# Altium PCB PA-HF_100W-VHF_60W.PcbDoc (part 1 of 3) (continued)
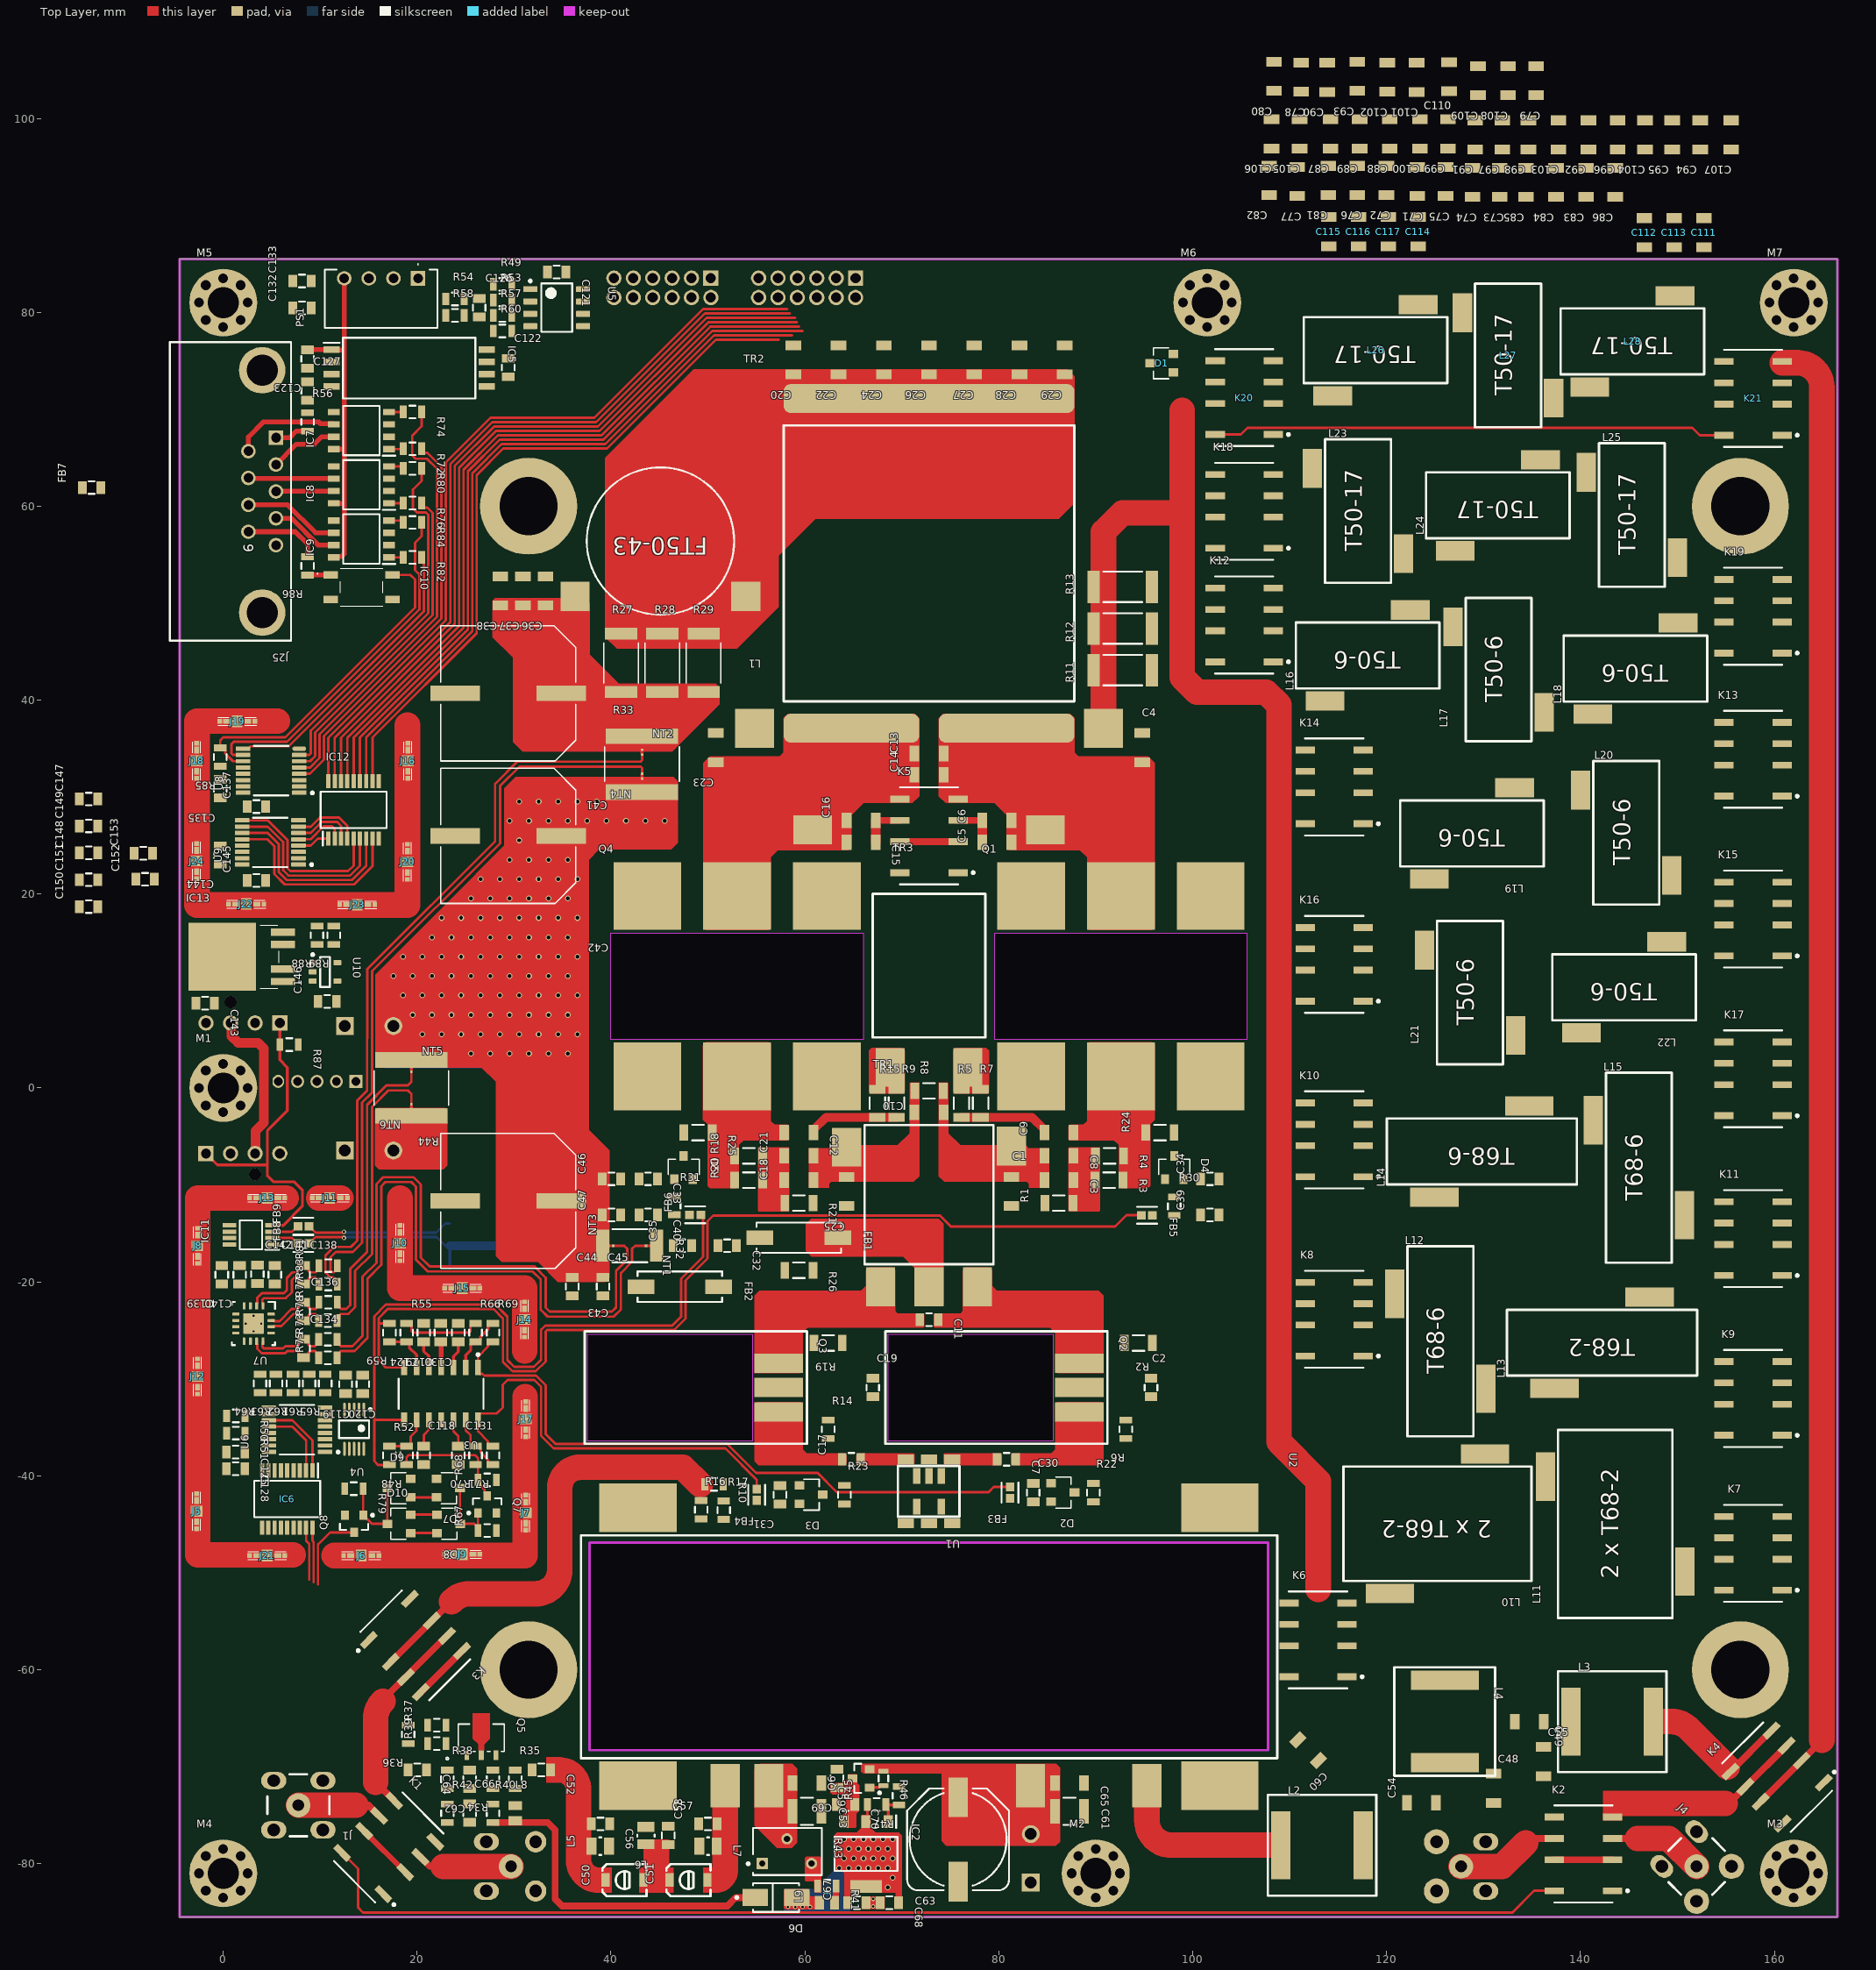
[diagram p0: Top Layer view]
## Components (designator, comment, footprint, x,y, rotation, side; value= is the part's Value field where it differs from the comment) (continued)
C74 "2.2nF NP0 630V" C-1206 128.875,93.4 r270 top
C75 "1.5nF NP0 500V" C-1206 126.075,93.5 r270 top
C76 "330pF NP0 630V" C-1206 116.975,93.6 r270 top
C77 "100pF NP0 500V" C-1206 110.775,93.5 r270 top
C78 "910pF NP0 250V" C-1206 111.175,104.25 r270 top
C79 "1.5nF NP0 500V" C-1206 135.425,103.9 r270 top
C80 "560pF NP0 630V" C-1206 108.375,104.35 r270 top
C81 "270pF NP0 630V" C-1206 113.975,93.6 r270 top
C82 "68pF NP0 500V" C-1206 107.875,93.6 r270 top
C83 "270pF NP0 630V" C-1206 140.575,93.4 r270 top
C84 "560pF NP0 630V" C-1206 137.475,93.4 r270 top
C85 "330pF NP0 630V" C-1206 134.375,93.4 r270 top
C86 "47pF NP0 500V" C-1206 143.575,93.4 r270 top
C87 "120pF NP0 500V" C-1206 114.225,98.4 r270 top
C88 "27pF NP0 630V" C-1206 120.325,98.4 r270 top
C89 "130pF NP0 630V" C-1206 117.225,98.4 r270 top
C90 "33pF NP0 630V" C-1206 113.873,104.23 r270 top
C91 "91pF NP0 500V" C-1206 129.125,98.3 r270 top
C92 "240pF NP0 500V" C-1206 140.825,98.3 r270 top
C93 "220pF NP0 500V" C-1206 116.975,104.35 r270 top
C94 "47pF NP0 500V" C-1206 152.35,98.3 r270 top
C95 "22pF NP0 630V" C-1206 149.45,98.3 r270 top
C96 "91pF NP0 500V" C-1206 143.825,98.3 r270 top
C97 "220pF NP0 500V" C-1206 131.925,98.3 r270 top
C98 "150pF NP0 630V" C-1206 134.625,98.3 r270 top
C99 "33pF NP0 630V" C-1206 126.325,98.4 r270 top
C100 "10pF NP0 630V" C-1206 123.425,98.4 r270 top
C101 "47pF NP0 500V" C-1206 123.098,104.23 r270 top
C102 "130pF NP0 630V" C-1206 120.075,104.25 r270 top
C103 "62pF NP0 500V" C-1206 137.725,98.3 r270 top
C104 "10pF NP0 630V" C-1206 146.65,98.3 r270 top
C105 "15pF NP0 630V" C-1206 111.025,98.4 r270 top
C106 "10pF NP0 630V" C-1206 108.125,98.4 r270 top
C107 "22pF NP0 630V" C-1206 155.55,98.3 r270 top
C108 "15pF NP0 630V" C-1206 132.525,103.9 r270 top
C109 "75pF NP0 500V" C-1206 129.425,103.9 r270 top
C110 "75pF NP0 500V" C-1206 126.45,104.3 r90 top
C111 "6pF NP0 630V" C-1206 152.73,88.22 r90 top
C112 "8pF NP0 630V" C-1206 146.58,88.22 r90 top
C113 "6pF NP0 630V" C-1206 149.655,88.22 r90 top
C114 "18pF NP0 630V" C-1206 123.252,88.32 r90 top
C115 "8pF NP0 630V" C-1206 114.027,88.32 r90 top
C116 "56pF NP0 500V" C-1206 117.102,88.32 r90 top
C117 "56pF NP0 500V" C-1206 120.177,88.32 r90 top
C118 "1nF 50V" C-0805 20.683,-37.9 r90 top
C119 "100nF 50V" C-0805 12.625,-30.55 r270 top
C120 "22uF 6.3V" C-0805 14.4,-30.55 r270 top
C121 "100nF 50V X7R" C-0805 34.4,84.15 r0 top
C122 "100nF 50V X7R" C-0805 29.4,74.3 r90 top
C123 "100nF 50V X7R" C-0805 8.7,75.2 r270 top
C124 "1nF 50V" C-0805 20.683,-25.225 r270 top
C125 "100nF 50V" C-0805 1.275,-37.55 r0 top
C126 "180pF NP0" C-0805 26.4,80.475 r90 top
C127 "?" C-0805 8.7,71.9 r90 top
C128 "22uF 6.3V" C-0805 1.275,-39.275 r0 top
C129 "100nF 50V" C-0805 22.45,-25.225 r270 top
C130 "1nF 50V" C-0805 24.242,-25.225 r270 top
C131 "1nF 50V" C-0805 24.242,-37.9 r90 top
C132 "100nF 50V" C-0805 8.117,80.455 r180 top
C133 "100nF 50V" C-0805 8.117,83.23 r180 top
C134 "10nF 50V" C-0805 8.3,-26.875 r90 top
C135 "100nF 50V" C-0805 -0.3,30.875 r270 top
C136 "10nF 50V" C-0805 8.3,-23.05 r90 top
C137 "22uF 6.3V" C-0805 3.425,29.025 r180 top
C138 "10nF 50V" C-0805 8.3,-19.275 r90 top
C139 "100nF 50V" C-0805 -0.15,-19.25 r270 top
C140 "22uF 6.3V" C-0805 1.7,-19.25 r270 top
C141 "100nF 50V" C-0805 5.325,-19.25 r90 top
C142 "22uF 6.3V" C-0805 3.525,-19.2 r90 top
C143 "1uF 50V" C-0805 -1.875,8.75 r0 top
C144 "100nF 50V" C-0805 -0.3,24.025 r270 top
C145 "22uF 6.3V" C-0805 3.425,21.4 r180 top
C146 "100nF 50V" C-0805 10.725,8.925 r180 top
C147 "22uF 6.3V" C-0805 -13.875,29.801 r180 top
C148 "100nF 50V" C-0805 -13.875,24.25 r180 top
C149 "22uF 6.3V" C-0805 -13.875,27.026 r180 top
C150 "22uF 6.3V" C-0805 -13.875,18.7 r180 top
C151 "100nF 50V" C-0805 -13.875,21.475 r180 top
C152 "10uF 50V" C-0805 -8.05,21.525 r180 top
C153 "100nF 50V" C-0805 -8.225,24.2 r180 top
D1 "BAT54C" SOT-23 96.8,74.75 r90 top
D2 "BAT54C" SOT-23 86.61,-41.725 r270 top
D3 "BAT54C" SOT-23 60.625,-41.95 r270 top
D4 "BAT54C" SOT-23 98.1,-8.2 r0 top
D5 "BAT54C" SOT-23 47.5,-8.2 r0 top
D6 "SS14" FP-403AE-MFG 57.025,-83.5 r180 top
D7 "BAT54A" SOT-23 23.225,-41.275 r270 top
D8 "BAT54A" SOT-23 23.25,-44.95 r270 top
D9 "BAT54A" SOT-23 18.125,-41.275 r90 top
D10 "BAT54A" SOT-23 18.125,-44.95 r90 top
F1 "Fan" Fan_60x60x25mm 5.85,-39.15 r270 bottom locked
F2 "Fan" Fan_60x60x25mm 5.85,40.85 r270 bottom locked
FB1 "28F0121-1SR-10" FP-28F0121-1SR-10-MFG 59.375,-15.45 r0 top
FB2 "28F0121-1SR-10" FP-28F0121-1SR-10-MFG 47.1,-20.5 r0 top
FB3 "BLM18HE152SN1D" FP-BLM18-0_15-t0_8-IPC_C 81.15,-41.725 r270 top
FB4 "BLM18HE152SN1D" FP-BLM18-0_15-t0_8-IPC_C 55.025,-41.95 r270 top
FB5 "BLM18HE152SN1D" FP-BLM18-0_15-t0_8-IPC_C 95.275,-13.125 r0 top
FB6 "BLM18HE152SN1D" FP-BLM18-0_15-t0_8-IPC_C 48.675,-13.075 r180 top
FB7 "0ZCE0050FF2E" C-0805 -13.575,61.925 r180 top
FB8 "BLM18HE152SN1D" FP-BLM18-0_15-t0_8-IPC_C 8.275,-16.05 r180 top
FB9 "BLM18HE152SN1D" FP-BLM18-0_15-t0_8-IPC_C 8.275,-14.25 r180 top
H1 "HeatSink" HEATSINK_145X140X35 94,0 r270 bottom locked
IC1 "XT30U-M" XT30UM 12.55,6.398 r0 bottom
IC2 "AMS117" SOT229P700X180-4N 66.3,-79 r270 top
IC3 "XT30U-M" XT30UM 83.3,-81.95 r90 bottom
IC4 "XT30U-M" XT30UM 12.55,-6.448 r0 bottom
IC5 "ACNT-H87A-000E" SOIC127P1661X403-8N 19.175,74.25 r0 top
IC6 "TBD62783AFNG_Z_" SOP65P640X155-18N 6.6,-42.4 r270 top
IC7 "TLP2161_TP,F_" SOIC127P600X290-8N 14.25,67.8 r180 top
IC8 "TLP2161_TP,F_" SOIC127P600X290-8N 14.25,62.212 r180 top
IC9 "TLP2161_TP,F_" SOIC127P600X290-8N 14.25,56.625 r180 top
IC10 "KPC357NT0ATLD" KPC357NT0ATLD 14.275,51.65 r0 top
IC11 "EMC2101-ACZL-TR" SOP65P490X110-8N 2.85,-15.15 r180 top
IC12 "TBD62783AFNG_Z_" SOP65P640X155-18N 13.45,28.675 r90 top
IC13 "BA00CC0WFP-E2" BA00CC0WFPE2 3.025,13.525 r90 top
J1 "RF BPF" 31-5431#1 7.75,-73.975 r90 top
J2 "RX Bypass" 31-5431#2 29.685,-80.285 r90 bottom locked
J3 "RX Bypass" 31-5431#3 127.685,-80.285 r270 bottom locked
J4 "RF ATU" 31-5431#3 151.975,-80.285 r225 top
J5 "S0941-46R" S094146R -2.75,-43.65 r270 top
J6 "S0941-46R" S094146R 14.238,-48.225 r180 top
J7 "S0941-46R" S094146R 31.2,-43.8 r270 top
J8 "S0941-46R" S094146R -2.675,-16.275 r270 top
J9 "S0941-46R" S094146R 24.658,-48.075 r180 top
J10 "S0941-46R" S094146R 18.225,-16 r270 top
J11 "S0941-46R" S094146R 10.988,-11.35 r180 top
J12 "S0941-46R" S094146R -2.65,-29.75 r270 top
J13 "S0941-46R" S094146R 4.537,-11.35 r180 top
J14 "S0941-46R" S094146R 31.091,-23.879 r270 top
J15 "S0941-46R" S094146R 24.658,-20.65 r180 top
J16 "S0941-46R" S094146R 19.05,33.75 r270 top
J17 "S0941-46R" S094146R 31.2,-34.15 r270 top
J18 "S0941-46R" S094146R -2.75,33.75 r270 top
J19 "S0941-46R" S094146R 1.445,37.825 r180 top
J20 "S0941-46R" S094146R 19,23.325 r270 top
J21 "S0941-46R" S094146R 4.538,-48.225 r180 top
J22 "S0941-46R" S094146R 2.375,18.975 r180 top
J23 "S0941-46R" S094146R 13.825,18.9 r180 top
J24 "S0941-46R" S094146R -2.75,23.4 r270 top
J25 "618009231221" 618009231221 0.75,61.525 r270 top locked
J26 "47053-1000" FP-47053-1000-MFG 2.025,-6.375 r180 bottom
J27 "47053-1000" FP-47053-1000-MFG 2.025,6.325 r0 bottom
J28 "B5B-PH-K-S_LF__SN_" SHDR5W50P0X200_1X5_1190X450X600P 13.675,0.675 r0 bottom
J29 "DF11-12DP-2DSA_24_" SHDR12W60P200_2X6_1400X500X690P 65.225,83.525 r0 bottom
J30 "DF11-12DP-2DSA_24_" SHDR12W60P200_2X6_1400X500X690P 50.3,83.525 r0 bottom
K1 "2-1462037-3" TECO-2-1462037-3_V 17.075,-78.325 r45 top
K2 "2-1462037-3" TECO-2-1462037-3_V 140.3,-79 r90 top
K3 "2-1462037-3" TECO-2-1462037-3_V 19.825,-57.5 r315 top
K4 "2-1462037-3" TECO-2-1462037-3_V 160.275,-71.075 r135 top
K5 "2-1462037-3" TECO-2-1462037-3_V 72.8,26 r90 top locked
K6 "2-1462037-3" TECO-2-1462037-3_V 112.925,-56.925 r90 top
K7 "2-1462037-3" TECO-2-1462037-3_V 157.8,-48 r90 top
K8 "2-1462037-3" TECO-2-1462037-3_V 114.6,-23.85 r90 top
K9 "2-1462037-3" TECO-2-1462037-3_V 157.8,-32.02 r90 top
K10 "2-1462037-3" TECO-2-1462037-3_V 114.6,-5.35 r90 top
K11 "2-1462037-3" TECO-2-1462037-3_V 157.8,-15.54 r90 top
K12 "2-1462037-3" TECO-2-1462037-3_V 105.325,47.75 r90 top
K13 "2-1462037-3" TECO-2-1462037-3_V 157.8,33.9 r90 top
K14 "2-1462037-3" TECO-2-1462037-3_V 114.6,31.05 r90 top
K15 "2-1462037-3" TECO-2-1462037-3_V 157.8,17.42 r90 top
K16 "2-1462037-3" TECO-2-1462037-3_V 114.6,12.75 r90 top
K17 "2-1462037-3" TECO-2-1462037-3_V 157.8,0.94 r90 top
K18 "2-1462037-3" TECO-2-1462037-3_V 105.325,59.475 r90 top
K19 "2-1462037-3" TECO-2-1462037-3_V 157.8,48.65 r90 top
K20 "2-1462037-3" TECO-2-1462037-3_V 105.325,71.2 r90 top
K21 "2-1462037-3" TECO-2-1462037-3_V 157.8,71.125 r90 top
L1 "FT-50-43" AMIDON_FT50_43 45.1,56.4 r180 top locked value="12T 1.0mm"
L2 "200nH" AirCoil_200nH 113.35,-78.1 r90 top
L3 "200nH" AirCoil_200nH 143.275,-65.35 r90 top
L4 "200nH" AirCoil_200nH 126,-65.35 r0 top
L5 "8.2nH" L-0805 38.9,-78.2 r180 top
L6 "8.2nH" L-0805 43.6,-77.1 r270 top
L7 "8.2nH" L-0805 50,-78.2 r0 top
L8 "BLM21AH102SN1D" INDC2013X105X50LL20T20 30.125,-74.8 r90 top
L9 "BLM21AH102SN1D" INDC2013X105X50LL20T20 62.275,-84.025 r180 top
L10 "17W 2xT68-2" AMIDON_2XT68_2 125.25,-44.95 r180 top value=3.3uH
L11 "20W 2xT68-2" AMIDON_2XT68_2 143.575,-44.975 r90 top value=4.5uH
L12 "19W T68-6" AMIDON_T68_6-SMD 125.55,-26.125 r90 top value=1.74uH
L13 "19W T68-2" AMIDON_T68_2-SMD 142.225,-26.275 r180 top value=1.8uH
L14 "13W T68-6" AMIDON_T68_6-SMD 129.825,-6.55 r180 top value=0.925uH
L15 "16W T68-6" AMIDON_T68_6-SMD 146.025,-8.225 r90 top value=1.26uH
L16 "12W T50-6" AMIDON_T50_6-SMD 118.05,44.6 r180 top value=0.57uH
L17 "11W T50-6" AMIDON_T50_6-SMD 131.55,43.15 r90 top value=0.48uH
L18 "10W T50-6" AMIDON_T50_6-SMD 145.675,43.25 r180 top value=0.4uH
L19 "9W T50-6" AMIDON_T50_6-SMD 128.8,26.25 r180 top value=0.33uH
L20 "10W T50-6" AMIDON_T50_6-SMD 144.725,26.325 r90 top value=0.45uH
L21 "8W T50-6" AMIDON_T50_6-SMD 128.6,9.825 r90 top value=0.231uH
L22 "9W T50-6" AMIDON_T50_6-SMD 144.5,10.375 r180 top value=0.298uH
L23 "8W T50-17" AMIDON_T50_17-SMD 117.05,59.5 r90 top value=0.115uH
L24 "10W T50-17" AMIDON_T50_17-SMD 131.475,60.1 r180 top value=0.180uH
L25 "9W T50-17" AMIDON_T50_17-SMD 145.3,59.1 r90 top value=0.154uH
L26 "7W T50-17" Amidon_T50_17-smd 118.85,76.1 r180 top value=0.095uH
L27 "9W T50-17" Amidon_T50_17-smd 132.525,75.55 r90 top value=0.157uH
L28 "8W T50-17" Amidon_T50_17-smd 145.35,77 r180 top value=0.124uH
M1 "MountHole" MountHole 0,0 r90 top locked
M2 "MountHole" MountHole 90,-81 r90 top locked
M3 "MountHole" MountHole 162,-81 r90 top locked
M4 "MountHole" MountHole 0,-81 r90 top locked
M5 "MountHole" MountHole 0,81 r90 top locked
M6 "MountHole" MountHole 101.5,81 r90 top locked
M7 "MountHole" MountHole 162,81 r90 top locked
NT1 "Net-Tie" Net-Tie_10mil 43.875,-16.275 r0 top net-tie
NT2 "Net-Tie" Net-Tie_10mil 43.2,34.629 r90 top locked net-tie
NT3 "Net-Tie" Net-Tie_10mil 39.975,-16.275 r180 top net-tie
NT4 "Net-Tie" Net-Tie_10mil 43.2,32.171 r270 top locked net-tie
NT5 "Net-Tie" Net-Tie_10mil 19.4,1.925 r90 top locked net-tie
NT6 "Net-Tie" Net-Tie_10mil 19.4,-1.925 r270 top locked net-tie
PS1 "B1205S-1WR2" B1205S1WR2 20.1,83.5 r180 top
Q1 "RD100HHF1" RD100HHF1 92.6,10.5 r0 top locked
Q2 "RD16HHF1" RD16HHF1 77.1,-30.9 r0 top locked
Q3 "RD16HHF1" RD16HHF1 46.1,-30.9 r0 top locked
Q4 "RD100HHF1" RD100HHF1 53,10.5 r0 top locked
Q5 "RD01MUS1" RD01MUS2_MTS 26.625,-67.022 r0 top
Q6 "IRLML9301TRPBF" INF-SOT-23-3_V 65.8,-71.2 r180 top
Q7 "IRLML0030TRPBF" INTR-SOT-23-3_V 27.225,-42.95 r0 top
Q8 "IRLML0030TRPBF" INTR-SOT-23-3_V 13.5,-44.95 r180 top
Q9 "PZT3904" FAIR-SOT223-4_V 26.425,-16.275 r0 bottom
R1 "2.2k 1%" R-1206 86.2,-11.875 r180 top
R2 "430R" R-1206 94.4,-26.3 r180 top
R3 "4.7R 1%" R-1206 91.375,-9.5 r0 top
R4 "4.7R 1%" R-1206 91.425,-7 r0 top
R5 "22R 1%" R-1206 76.15,-1.575 r90 top
R6 "2.2k 1%" R-0805 93.1,-35.2 r270 top
R7 "22R 1%" R-1206 78.125,-1.575 r90 top
R8 "100R" R-1206 72.8,-0.3 r0 top
R9 "22R 1%" R-1206 69.45,-1.575 r90 top
R10 "12R 1%" R-0805 50.625,-40.875 r0 top
R11 "2K 5% 2512(6432)" RESC2512(6432)_N 92.783,43.091 r180 top value="2000.00 Ohm"
R12 "2K 5% 2512(6432)" RESC2512(6432)_N 92.783,47.391 r180 top value="2000.00 Ohm"
R13 "2K 5% 2512(6432)" RESC2512(6432)_N 92.783,51.691 r180 top value="2000.00 Ohm"
R14 "2.2k 1%" R-0805 62.4,-35.2 r90 top
R15 "22R 1%" R-1206 67.475,-1.575 r90 top
R16 "430R 1%" R-0805 49.3,-43.5 r90 top
R17 "430R 1%" R-0805 51.625,-43.55 r90 top
R18 "4.7R 1%" R-1206 54.2,-7 r180 top
R19 "430R" R-1206 62.4,-26.3 r180 top
R20 "4.7R 1%" R-1206 54.2,-9.5 r180 top
R21 "2.2k 1%" R-1206 59.375,-11.875 r0 top
R22 "100R 1%" R-0805 89.75,-41.725 r90 top
R23 "100R 1%" R-0805 64.075,-41.95 r90 top
R24 "22R 1%" R-1206 96.625,-4.6 r180 top
R25 "22R 1%" R-1206 48.975,-4.6 r0 top
R26 "22R 1%" R-1206 59.375,-18.8 r0 top
R27 "CRM2512-JW-4R7ELF" BO_CR2512 41.041,43.842 r90 top locked
R28 "CRM2512-JW-4R7ELF" BO_CR2512 45.291,43.842 r90 top locked
R29 "CRM2512-JW-4R7ELF" BO_CR2512 49.541,43.842 r90 top locked
R30 "100R 1%" R-0805 98.1,-12.2 r90 top
R31 "100R 1%" R-0805 46.525,-12.125 r90 top
R32 "CRA2512-FZ-R020ELF" FP-CRA2512-IPC_C 41.925,-16.275 r0 top
R33 "CSSH2728FT5L00" STA_CSSH2728_STP 43.2,33.4 r90 top locked
R34 "750R 1%" R-0805 27.825,-71.3 r270 top
R35 "470R 1%" R-0805 30.125,-71.3 r90 top
R36 "12R 1%" R-0805 19.075,-66.675 r270 top
R37 "430R 1%" R-0805 22.025,-65.725 r180 top
R38 "56R 1%" R-0805 23.125,-71.3 r90 top
R39 "430R 1%" R-0805 22.025,-67.625 r180 top
R40 "6.8k 1%" R-0805 27.825,-74.8 r90 top
R41 "1k 1%" R-0805 62.275,-82.325 r0 top
R42 "2.7k 1%" R-0805 23.125,-74.8 r90 top
R43 "3266W-1-102LF" FP-3266W-MFG 58.2,-78.75 r0 top value=10kΩ
R44 "CSSH2728FT5L00" STA_CSSH2728_STP 19.4,0 r270 top locked
R45 "100R 1%" R-0805 67.4,-73.9 r180 top
R46 "30k" R-0603 68.1,-71.2 r270 top
R47 "620R 1%" R-0805 69.7,-73 r270 top
R48 "6.49k 1%" R-0805 18.917,-37.9 r270 top
R49 "4.7k" R-0805 28.8,82.875 r0 top
R50 "10k 1%" R-0805 1.3,-33.825 r0 top
R51 "10k 1%" R-0805 1.3,-35.6 r0 top
R52 "10k 1%" R-0805 17.15,-37.9 r90 top
R53 "4.7k" R-0805 28.8,81.275 r0 top
R54 "4.7k" R-0805 23.9,81.375 r0 top
R55 "6.49k 1%" R-0805 18.917,-25.225 r90 top
R56 "?" R-0805 8.7,68.7 r90 top
R57 "4.7k" R-0805 28.8,79.675 r0 top
R58 "4.7k" R-0805 23.9,79.675 r0 top
R59 "10k 1%" R-0805 17.15,-25.225 r270 top
R60 "4.7k" R-0805 28.8,78.075 r0 top
R61 "10k 1%" R-0805 8.856,-30.475 r270 top
R62 "10k 1%" R-0805 7.188,-30.475 r270 top
R63 "10k 1%" R-0805 5.45,-30.475 r270 top
R64 "10k 1%" R-0805 3.8,-30.475 r270 top
R65 "10k 1%" R-0805 10.525,-30.475 r270 top
R66 "6.49k 1%" R-0805 26.033,-25.225 r90 top
R67 "150k 1%" R-0805 27.225,-45.65 r180 top
R68 "3.3k 1%" R-0805 27.225,-40.425 r180 top
R69 "10k 1%" R-0805 27.825,-25.225 r90 top
R70 "6.49k 1%" R-0805 26.033,-37.9 r270 top
R71 "10k 1%" R-0805 27.825,-37.9 r270 top
R72 "330R 1%" R-0805 19.525,65.925 r0 top
R73 "12R 1%" R-0805 10.8,-25.925 r180 top
R74 "330R 1%" R-0805 19.525,69.725 r0 top
R75 "12R 1%" R-0805 10.8,-27.825 r180 top
R76 "330R 1%" R-0805 19.525,60.325 r0 top
R77 "12R 1%" R-0805 10.825,-22.1 r180 top
R78 "12R 1%" R-0805 10.8,-24 r180 top
R79 "150k 1%" R-0805 13.475,-41.325 r0 top
R80 "330R 1%" R-0805 19.525,63.9 r0 top
R81 "12R 1%" R-0805 10.825,-18.325 r180 top
R82 "330R 1%" R-0805 19.525,54.725 r0 top
R83 "12R 1%" R-0805 10.825,-20.225 r180 top
R84 "330R 1%" R-0805 19.525,58.325 r0 top
R85 "10k 1%" R-0805 -0.3,34.125 r270 top
R86 "330R 1%" R-0805 8.7,53.85 r270 top
R87 "10k 1%" R-0805 6.8,4.475 r0 top
R88 "10k 1%" R-0805 9.675,15.75 r270 top
R89 "3.3k 1%" R-0805 11.4,15.75 r270 top
TR1 "BN43-202 3+3T:3T" BN43-202 72.8,-11 r0 top locked
TR2 "BN61-002 1T:4T" BN61-002 72.8,54.1 r0 top locked
TR3 "FT82-43 13+13T:1T" AMIDON_FT82-43 72.8,12.625 r90 top locked
U1 "MABAES0060" TRANSF_ACORE2 72.8,-41.6 r270 top locked
U2 "RA80H1415M1" RA80H1415M1 72.8,-55.8 r0 top locked
U3 "TLV9064IDR" FP-D0014A-MFG 22.475,-31.525 r270 top
U4 "MCP4728T-E/UN" MSOP-UN10_L 13.5,-35.2 r270 top
U5 "OPA376AIDR" D0008A_N 34.4,80.475 r0 top
U6 "TCA9534APWR" FP-PW0016A-MFG#1 7.6,-35.25 r180 top
U7 "INA3221AIRGVR" RGV0016A_V 3.125,-24.3 r270 top
U8 "TCA9534APWR" FP-PW0016A-MFG#2 4.95,32.725 r180 top
U9 "TCA9534APWR" FP-PW0016A-MFG#1 4.868,25.326 r180 top
U10 "TPS79333DBVR" DBV0005A_L 10.5,11.975 r0 top

## Footprints (in the part's own frame and the unit in brackets; to place one, negate y for a bottom-side part, rotate by r counter-clockwise, add the part's x,y. Pads: shape width x height; smd on the part's side, far side on the other; paste and mask are expansions set on the pad)
31-5431#1 [mm]
  oval 1.8x2.6 hole 1.3: 1(-2.54,-2.54) 2(2.54,-2.54) 3(2.54,2.54) 4(-2.54,2.54)
  round 2.5 hole 1.2: 5(0,0)
  silkscreen extent -3.2,-3.2 3.2,3.2, body extent -3.04,-3.04 3.04,3.04, height 9
31-5431#2 [mm]
  oval 1.8x2.6 hole 1.3: 1(-2.54,-2.54) 2(2.54,-2.54)
  round 2.2 hole 1.3: 3(2.54,2.54) 4(-2.54,2.54)
  round 2.5 hole 1.2: 5(0,0)
  silkscreen extent -3.2,-3.2 3.2,3.2, body extent -3.04,-3.04 3.04,3.04, height 9
31-5431#3 [mm]
  oval 1.8x2.6 hole 1.3: 1(-2.54,-2.54) 2(2.54,-2.54)
  round 2.6 hole 1.3: 3(2.54,2.54) 4(-2.54,2.54)
  round 2.5 hole 1.2: 5(0,0)
  silkscreen extent -3.2,-3.2 3.2,3.2, body extent -3.04,-3.04 3.04,3.04, height 9
618009231221 [mm] "9 pins, right angled, 8.08mm, with hex screw"
  rect 1.5x1.5 hole 1: 1(-5.54,4.69)
  round 1.5 hole 1: 2(-2.77,4.69) 3(0,4.69) 4(2.77,4.69) 5(5.54,4.69) 6(-4.155,1.85) 7(-1.385,1.85) 8(1.385,1.85) 9(4.155,1.85)
  round 4.8 hole 3.2: M1(-12.5,3.27) M2(12.5,3.27)
  silkscreen extent -15.4,-6.25 15.4,6.25, body extent -15.4,-12.25 15.4,6.25, height 12.55
AirCoil_200nH [mm]
  rect 7x2 smd: 1(0,4.25) 2(0,-4.25)
  silkscreen extent -5.2,-5.6 5.2,5.6, body extent -5,-4.62 5,4.62, height 11
AMIDON_2XT68_2 [mm]
  rect 5x2 smd: 1(4.9,7.2) 2(-4.9,-7.2)
  silkscreen extent -9.7,-5.9 9.7,5.9, body extent -8.75,-4.84 8.75,4.84, height 17.55
AMIDON_FT50_43 [mm] "FT50-6x"
  rect 3x3 smd: 1(8.8,5.7) 2(-8.8,5.7)
  silkscreen extent -7.6,-7.6 7.6,7.6, body extent -6.35,-6.35 6.35,6.35, height 5.83
AMIDON_FT82-43 [mm]
  rect 4x3 smd: 1(-10.5,4) 2(-10.5,-4)
  rect 3x4 smd: 3(14,12) 4(14,-12)
  silkscreen extent -7.4,-5.8 7.4,5.8, body extent -6.35,-4.83 6.35,4.83, height 12.85
AMIDON_T50_6-SMD [mm]
  rect 4x2 smd: 1(4.4,4.7) 2(-4.4,-4.7)
  silkscreen extent -7.4,-3.4 7.4,3.4, body extent -6.35,-2.41 6.35,2.42, height 12.75
AMIDON_T50_17-SMD [mm]
  rect 4x2 smd: 1(4.4,4.7) 2(-4.4,-4.7)
  silkscreen extent -7.4,-3.4 7.4,3.4, body extent -6.35,-2.41 6.35,2.42, height 12.75
Amidon_T50_17-smd [mm]
  rect 4x2 smd: 1(4.4,4.7) 2(-4.4,-4.7)
  silkscreen extent -7.4,-3.4 7.4,3.4, body extent -6.35,-2.41 6.35,2.42, height 12.75
AMIDON_T68_2-SMD [mm]
  rect 5x2 smd: 1(4.9,4.7) 2(-4.9,-4.7)
  silkscreen extent -9.8,-3.4 9.8,3.4, body extent -8.75,-2.41 8.75,2.42, height 17.55
AMIDON_T68_6-SMD [mm]
  rect 5x2 smd: 1(4.9,4.7) 2(-4.9,-4.7)
  silkscreen extent -9.8,-3.4 9.8,3.4, body extent -8.75,-2.4 8.75,2.43, height 17.55
B1205S1WR2 [mm]
  rect 1.5x1.5 hole 1: 1(0,0)
  round 1.5 hole 1: 2(2.54,0) 3(5.08,0) 4(7.62,0)
  silkscreen extent -1.99,-1.5 9.61,5.1, body extent -1.99,-0.9 9.61,5.1, height 10.51
BA00CC0WFPE2 [mm]
  rect 0.76x2.5 smd: 1(-2.54,-3.125) 2(-1.27,-3.125) 4(1.27,-3.125) 5(2.54,-3.125)
  rect 7x7 smd: 3(0,3.125)
  silkscreen extent -3.25,-4.9 3.25,-0.8
BN43-202 [mm]
  rect 3x4 smd: 1(-8.5,4.9) 2(8.5,5) 3(-5,-9.5) 4(5,-9.5) 5(0,-9.5)
  silkscreen extent -6.65,-7.17 6.65,7.17, body extent -6.65,-7.17 6.65,7.17, height 7.5
BN61-002 [mm]
  rect 4x4 smd: 1(-18,-17) 2(18,-17)
  rrect50% 14x3 smd: 3(-8,-17) 4(8,-17)
  rrect50% 30x3 smd: 5(0,17)
  silkscreen extent -14.97,-14.23 14.97,14.23, body extent -15.1,-14.35 15.1,14.35, height 15
BO_CR2512 [mil]
  rect 48x130 smd paste+0 mask+0: 1(-118,0) 2(118,0)
  silkscreen extent -82,-70 82,70, body extent -128,-65 128,65, height 30
C-0805 [mm] "Surface-Mount Multilayer Chip Capacitor, Body 2 x 1.25 mm (L x W)"
  rect 0.9x1.3 smd: 1(-0.95,0) 2(0.95,0)
  Top Layer pour cut-out: -0.5,0.65 0.5,0.65 0.5,-0.65 -0.5,-0.65
  silkscreen extent -0.3,-0.65 0.3,0.65, body extent -1,-0.62 1,0.63, height 0.78
C-1206 [mm] "Surface-Mount Multilayer Chip Capacitor, Body 3.2 x 1.6 mm (L x W)"
  rect 1x1.6 smd: 1(-1.5,0) 2(1.5,0)
  Top Layer pour cut-out: -1,0.8 1,0.8 1,-0.8 -1,-0.8
  body extent -1.6,-0.8 1.6,0.8, height 1
CAP-ADJ-SMD_L4.5-W3.2-L [mm]
  rect 0.85x1.4 smd: 1(1.95,0) 2(-1.95,0)
  Top Layer pour cut-out: -1.525,1.65 1.525,1.65 1.525,-1.65 -1.525,-1.65
  silkscreen extent -2.25,-1.65 2.29,1.65
CAP_PAN_EEE_H13_PAN [mil]
  rect 201x63 smd paste+0 mask+0: 1(-215,0) 2(215,0)
  silkscreen extent -274,-274 275,275, body extent -296,-269 296,269, height 553
D0008A_N [mm] "SOIC, 8-Leads, Body 5x4mm, Pitch 1.27mm, IPC Medium Density"
  rrect17% 1.45x0.6 smd: 1(-2.725,1.905) 2(-2.725,0.635) 3(-2.725,-0.635) 4(-2.725,-1.905) 5(2.725,-1.905) 6(2.725,-0.635) 7(2.725,0.635) 8(2.725,1.905)
  silkscreen extent -2.85,-2.5 1.6,2.88, body extent -3,-2.45 3,2.45, height 1.63
DBV0005A_L [mm] "SOT23, 5-Leads, Body 3.05x1.75mm, Pitch 0.95mm, IPC High Density"
  rrect18% 0.8x0.55 smd: 1(-1.275,0.95) 2(-1.275,0) 3(-1.275,-0.95) 4(1.275,-0.95) 5(1.275,0.95)
  silkscreen extent -1.4,-1.55 0.5,1.9, body extent -1.42,-1.46 1.42,1.46, height 1.08
FAIR-SOT223-4_V [mm] "SOT223, 4-Leads, Body 6.7x3.7mm, Pitch 2.3mm"
  rect 1.9x0.95 smd: 1(-3.05,2.3) 2(-3.05,0) 3(-3.05,-2.3)
  rect 1.9x3.25 smd: 4(3.05,0)
  silkscreen extent -3.17,-3.35 1.8,3.45, body extent -3.5,-3.35 3.5,3.35, height 1.8
Fan_60x60x25mm [mm]
  silkscreen extent -29.4,-14.9 31.1,10.6, body extent -29.15,-14.65 30.85,10.35, height 59.88
FP-28F0121-1SR-10-MFG [mm]
  rect 2.77x1.47 smd paste+0 mask+0: 1(-4.015,0) 2(4.015,0)
  silkscreen extent -4.37,-1.57 4.37,1.57, body extent -5.5,-1.67 5.5,1.67, height 0.25
FP-403AE-MFG [mm]
  rect 2.65x1.75 smd paste+0 mask+0: 1(-2.15,0) 2(2.15,0)
  silkscreen extent -2.37,-1.48 4.17,1.48, body extent -3.57,-1.58 3.57,1.58, height 0.25
FP-1210-L_3_3_0_4-W_2_5_0-MFG [mm]
  rect 1x2.5 smd paste+0 mask+0: 1(-1.5,0) 2(1.5,0)
  silkscreen extent -0.62,-1.4 0.62,1.4, body extent -2.1,-1.5 2.1,1.5, height 0.25
FP-3266W-MFG [mm]
  rect 1.15x1.15 hole 0.65 paste-1000 mask+0: 1(-2.595,-1.23)
  round 1.15 hole 0.65 paste-1000 mask+0: 2(-0.055,1.31) 3(2.485,-1.23)
  silkscreen extent -4.17,-2.44 3.54,2.44, body extent -3.64,-2.54 3.64,2.54, height 0.25
FP-47053-1000-MFG [mm]
  rect 1.57x1.57 hole 1.02 paste-1000 mask+0: 1(3.81,-0.38)
  round 1.57 hole 1.02 paste-1000 mask+0: 2(1.27,-0.38) 3(-1.27,-0.38) 4(-3.81,-0.38)
  round 1.25 hole 1.25 unplated paste-1000 mask+0: ""(-1.27,-2.54)
  silkscreen extent -5.2,-3.02 5.92,3.02, body extent -5.1,-2.92 5.1,2.92, height 10
FP-BLM18-0_15-t0_8-IPC_C [mm]
  rect 0.906x0.858 smd paste+0 mask+0: 1(-0.576,0) 2(0.576,0)
  silkscreen extent -1.03,-0.87 1.03,0.87, body extent -1.13,-0.58 1.13,0.58, height 0.25
FP-CRA2512-IPC_C [mm]
  rect 1.356x3.306 smd paste+0 mask+0: 1(-2.775,0) 2(2.775,0)
  silkscreen extent -1.8,-1.7 1.8,1.7, body extent -3.55,-1.8 3.55,1.8, height 0.25
FP-D0014A-MFG [mm]
  rect 1.55x0.6 smd paste-1000 mask+0: 1(-2.7,3.81) 2(-2.7,2.54) 3(-2.7,1.27) 4(-2.7,0) 5(-2.7,-1.27) 6(-2.7,-2.54) 7(-2.7,-3.81) 8(2.7,-3.81) 9(2.7,-2.54) 10(2.7,-1.27) 11(2.7,0) 12(2.7,1.27) 13(2.7,2.54) 14(2.7,3.81)
  silkscreen extent -4.15,-4.38 1.55,4.38, body extent -3.57,-4.62 3.57,4.62, height 0.25
FP-PW0016A-MFG#1 [mm]
  rrect22% 1.5x0.45 smd paste+0 mask+0: 1(-2.9,2.275) 2(-2.9,1.625) 3(-2.9,0.975) 4(-2.9,0.325) 5(-2.9,-0.325) 6(-2.9,-0.975) 7(-2.9,-1.625) 8(-2.9,-2.275) 9(2.9,-2.275) 10(2.9,-1.625) 11(2.9,-0.975) 12(2.9,-0.325) 13(2.9,0.325) 14(2.9,0.975) 15(2.9,1.625) 16(2.9,2.275)
  silkscreen extent -4.38,-2.55 1.78,2.55, body extent -3.75,-2.8 3.75,2.8, height 0.25
FP-PW0016A-MFG#2 [mm]
  rrect22% 1.5x0.45 smd paste+0 mask+0: 1(-2.9,2.275) 2(-2.9,1.625) 3(-2.9,0.975) 4(-2.9,0.325) 5(-2.9,-0.325) 6(-2.9,-0.975) 7(-2.9,-1.625) 9(2.9,-2.275) 10(2.9,-1.625) 11(2.9,-0.975) 12(2.9,-0.325) 13(2.9,0.325) 14(2.9,0.975) 15(2.9,1.625) 16(2.9,2.275)
  oct 1.4x0.45 smd paste+0 mask+0: 8(-2.9,-2.275)
  silkscreen extent -4.38,-2.55 1.78,2.55, body extent -3.75,-2.8 3.75,2.8, height 0.25
HEATSINK_145X140X35 [mm]
  round 10 hole 6 unplated: 1(-60,-62.5) 1(-60,62.5) 1(60,-62.5) 1(60,62.5)
  body extent -70,-72.5 70,72.5, height 35.99
INDC2013X105X50LL20T20 [mm] "Chip Inductor, 2-Leads, Body 2.2x1.45mm, IPC High Density"
  rect 0.93x1.37 smd: 1(-0.785,0) 2(0.785,0)
  body extent -1.1,-0.72 1.1,0.72, height 1.05
INF-SOT-23-3_V [mm] "SOT23, 3-Leads, Body 3.04x1.4mm, Pitch 0.95mm"
  rect 0.972x0.802 smd: 1(-0.885,0.95) 2(-0.885,-0.95) 3(0.885,0)
  silkscreen extent -2.02,-1.5 0.7,1.62, body extent -1.32,-1.52 1.32,1.52, height 1.12
INTR-SOT-23-3_V [mm] "SOT23, 3-Leads, Body 2.92x1.3mm, Pitch 1.9mm"
  rect 0.802x0.972 smd: 1(-0.95,-0.885) 2(0.95,-0.885) 3(0,0.885)
  silkscreen extent -2.03,-1.01 1.46,0.64, body extent -1.46,-0.65 1.46,0.65, height 1.12
KPC357NT0ATLD [mm]
  rect 1.5x0.8 smd: 1(-3.175,1.27) 2(-3.175,-1.27) 3(3.175,-1.27) 4(3.175,1.27)
  silkscreen extent -4.6,-1.95 2.2,1.95
L-0805 [mm]
  rect 1.02x1.78 smd: 1(-0.9,0) 2(0.9,0)
  Top Layer pour cut-out: -0.4,0.9 0.4,0.9 0.4,-0.9 -0.4,-0.9
  silkscreen extent -0.1,-0.9 0.1,0.9, body extent -1.05,-0.79 1.05,0.79, height 0.88
MountHole [mm]
  round 0.8 hole 1: 1(-2.5,0) 1(-1.8,-1.8) 1(-1.8,1.8) 1(0,2.5) 1(0,-2.5) 1(1.8,-1.8) 1(1.8,1.8) 1(2.5,0)
  round 7 hole 3.2: 1(0,0)
MSOP-UN10_L [mm] "TSSOP, 10-Leads, Body 3x3mm, Pitch 0.5mm, IPC High Density"
  oval 1.45x0.25 smd: 1(-2.025,1) 2(-2.025,0.5) 3(-2.025,0) 4(-2.025,-0.5) 5(-2.025,-1) 6(2.025,-1) 7(2.025,-0.5) 8(2.025,0) 9(2.025,0.5) 10(2.025,1)
  silkscreen extent -2.15,-1.55 0.9,1.8, body extent -1.55,-1.55 1.55,1.55, height 1.1
Net-Tie_10mil [mil]
  rect 10x10 smd paste-5 mask-5: 1(-10,0) 2(10,0)
  Top Layer region: -6,5 6,5 6,-5 -6,-5
R-0603 [mm] "Thin Film, Rectangular Resisitor Chip, Body 1.6 x 0.9 mm (L x W)"
  rect 0.5x1 smd: 1(-0.75,0) 2(0.75,0)
  Top Layer pour cut-out: -0.5,0.5 0.5,0.5 0.5,-0.5 -0.5,-0.5
  silkscreen extent -0.3,-0.5 0.3,0.5, body extent -0.8,-0.4 0.8,0.4, height 0.45
R-0805 [mm] "Thin Film, Rectangular Resisitor Chip, Body 2 x 1.2 mm (L x W)"
  rect 0.7x1.3 smd: 1(-0.95,0) 2(0.95,0)
  Top Layer pour cut-out: -0.6,0.65 0.6,0.65 0.6,-0.65 -0.6,-0.65
  silkscreen extent -0.3,-0.65 0.3,0.65, body extent -1,-0.62 1,0.62, height 0.6
R-1206 [mm] "Thin Film, Rectangular Resisitor Chip, Body 3.2 x 1.6 mm (L x W)"
  rect 0.9x1.7 smd: 1(-1.45,0) 2(1.45,0)
  Top Layer pour cut-out: -1,0.85 1,0.85 1,-0.85 -1,-0.85
  silkscreen extent -0.6,-0.8 0.6,0.8, body extent -1.6,-0.8 1.6,0.8, height 0.6
RA80H1415M1 [mm]
  rect 3x4.5 smd: 1(-21.025,-16.15) 2(-16.525,-16.15) 3(10.475,-16.15) 4(22.475,-16.15)
  rect 8x5 smd: 5(-30,-16.15) 5(-30,12.5) 5(30,-16.15) 5(30,12.5)
  Keep-Out Layer board cut-out: -35.025,8.9 34.975,8.9 34.975,-12.5 -35.025,-12.5
  Keep-Out Layer lines w0.254: -35.025,-12.5 -35.025,8.9 34.975,8.9 34.975,-12.5 -35.025,-12.5
  silkscreen extent -35.9,-13.32 35.93,9.65, body extent -33.5,-17.4 33.5,8, height 6.8
RD01MUS2_MTS [mil]
  rect 22x40 smd paste+0 mask+0: 1(0,-71)
  rect 19x40 smd paste+0 mask+0: 2(-59.06,-71) 3(59.06,-71)
  Top Layer region: 11,-51 -11,-51 -11,-26 -34.5,-4.5 -34.5,100 34.5,100 34.5,-4.5 11,-27
  silkscreen extent -143,-89 94,56, body extent 0,0 10,10, height 10
RD16HHF1 [mm]
  rect 5x2 smd: 1(11.2,0) 2(11.2,-2.5) 3(11.2,2.5)
  Keep-Out Layer board cut-out: -8.5,5.5 8.5,5.5 8.5,-5.5 -8.5,-5.5
  silkscreen extent -8.8,-5.8 14.1,5.8, body extent -7.8,-4.75 12.5,4.75, height 1.4
RD100HHF1 [mm]
  rect 7x7 smd: 1(-9.25,-9.3) 1(-9.25,9.3) 1(9.25,-9.3) 1(9.25,9.3) 2(0,-9.3) 3(0,9.3)
  Keep-Out Layer board cut-out: -13,-5.5 -13,5.5 13,5.5 13,-5.5
  body extent -12.5,-12 12.5,12, height 3.1
RESC2512(6432)_N [mm] "Chip Resistor, Body 6.4x3.2mm, IPC Medium Density"
  rect 1.25x3.35 smd: 1(-3,0) 2(3,0)
  silkscreen extent -2,-1.57 2,1.58, body extent -3.25,-1.7 3.25,1.7, height 0.75
RGV0016A_V [mm] "QFN, 16-Leads, Body 4x4mm, Pitch 0.65mm, Thermal Pad 2.16x2.16mm, TI Recommended"
  rrect33% 0.75x0.3 smd: 1(-1.825,0.975) 2(-1.825,0.325) 3(-1.825,-0.325) 4(-1.825,-0.975) 9(1.825,-0.975) 10(1.825,-0.325) 11(1.825,0.325) 12(1.825,0.975)
  rrect33% 0.3x0.75 smd: 5(-0.975,-1.825) 6(-0.325,-1.825) 7(0.325,-1.825) 8(0.975,-1.825) 13(0.975,1.825) 14(0.325,1.825) 15(-0.325,1.825) 16(-0.975,1.825)
  rrect11% 0.939x0.939 on Top Paste: 17(-0.57,0.57) 17(-0.57,-0.57) 17(0.57,0.57) 17(0.57,-0.57)
  rrect5% 2.1x2.1 smd paste-1.08: 17(0,0)
  silkscreen extent -2.22,-2.22 2.22,2.22, body extent -2.07,-2.07 2.07,2.07, height 1.01
S094146R [mm]
  rect 0.48x0.5 smd: 1(-1.81,0) 5(1.81,0)
  rect 0.7x0.5 smd: 2(-1.1,0) 4(1.1,0)
  rect 1.1x1.2 smd: 3(0,0)
  silkscreen extent -2,-0.4 2,0.4
SHDR5W50P0X200_1X5_1190X450X600P [mm]
  rect 1.35x1.35 hole 0.9: 1(0,0)
  round 1.35 hole 0.9: 2(-2,0) 3(-4,0) 4(-6,0)
  oval 1.2x1.35 hole 0.9: 5(-8,0)
  silkscreen extent -9.95,-1.7 1.95,2.8, body extent -9.95,-2.25 1.95,2.25, height 6
SHDR12W60P200_2X6_1400X500X690P [mm]
  rect 1.575x1.575 hole 1.05: 1(0,0)
  round 1.575 hole 1.05: 2(0,2) 3(-2,0) 4(-2,2) 5(-4,0) 6(-4,2) 7(-6,0) 8(-6,2) 9(-8,0) 10(-8,2) 11(-10,0) 12(-10,2)
  silkscreen extent -12.5,-1.5 2,3.8, body extent -12,-1.5 2,3.5, height 6.9
SMD-G-10X10.2 [mm] "10X7.7, 8.7, 10, 10.5, 12.5"
  rect 4.1x2 smd paste-0.05 mask+0.05: 1(4.35,0) 2(-4.35,0)
  silkscreen extent -5.25,-5.25 5.25,5.25, body extent -5.85,-5.15 5.85,5.15
SOIC127P600X290-8N [mm]
  rect 1.25x0.65 smd: 1(-2.85,1.905) 2(-2.85,0.635) 3(-2.85,-0.635) 4(-2.85,-1.905) 5(2.85,-1.905) 6(2.85,-0.635) 7(2.85,0.635) 8(2.85,1.905)
  silkscreen extent -3.47,-2.55 1.88,2.58, body extent -3,-2.55 3,2.55, height 2.9
SOIC127P1661X403-8N [mm]
  rect 1.65x0.7 smd: 1(-8,1.905) 2(-8,0.635) 3(-8,-0.635) 4(-8,-1.905) 5(8,-1.905) 6(8,-0.635) 7(8,0.635) 8(8,1.905)
  silkscreen extent -8.82,-3.12 6.83,3.12, body extent -8.3,-3.12 8.3,3.12, height 4.03
SOP65P490X110-8N [mm]
  rect 1.425x0.45 smd: 1(-2.212,0.975) 2(-2.212,0.325) 3(-2.212,-0.325) 4(-2.212,-0.975) 5(2.212,-0.975) 6(2.212,-0.325) 7(2.212,0.325) 8(2.212,0.975)
  silkscreen extent -2.93,-1.5 1.15,1.55, body extent -2.45,-1.5 2.45,1.5, height 1.1
SOP65P640X155-18N [mm]
  rect 1.45x0.45 smd: 1(-2.95,2.6) 2(-2.95,1.95) 3(-2.95,1.3) 4(-2.95,0.65) 5(-2.95,0) 6(-2.95,-0.65) 7(-2.95,-1.3) 8(-2.95,-1.95) 9(-2.95,-2.6) 10(2.95,-2.6) 11(2.95,-1.95) 12(2.95,-1.3) 13(2.95,-0.65) 14(2.95,0) 15(2.95,0.65) 16(2.95,1.3) 17(2.95,1.95) 18(2.95,2.6)
  silkscreen extent -3.67,-3.4 1.88,3.4, body extent -3.2,-3.4 3.2,3.4, height 1.55
SOT229P700X180-4N [mm]
  rect 1.3x0.95 smd: 1(-3.35,2.29) 2(-3.35,0) 3(-3.35,-2.29)
  rect 1.3x3.25 smd: 4(3.35,0)
  silkscreen extent -4,-3.25 1.75,3.25, body extent -3.5,-3.25 3.5,3.25, height 1.8
SOT-23 [mm] "3p 0.95P2.9x1.3mm - SOT23; SOT457; SC-74"
  rect 0.85x1 smd: 1(-0.95,-1.2) 2(0.95,-1.2) 3(0,1.2)
  silkscreen extent -1.6,-0.72 1.6,0.85, body extent -1.5,-1.25 1.5,1.25, height 1.1
STA_CSSH2728_STP [mil]
  rect 63x293 smd paste+0 mask+0: 1(-113.5,0) 2(113.5,0)
  silkscreen extent -70,-152 70,152, body extent -137,-146 137,146, height 49
TECO-2-1462037-3_V [mm] "SMT, 8-Leads, Body 10x6mm"
  rect 0.7x2 smd: 1(-3.8,-3) 2(-0.6,-3) 3(1.6,-3) 4(3.8,-3) 5(3.8,3) 6(1.6,3) 7(-0.6,3) 8(-3.8,3)
  silkscreen extent -5,-4.67 5,3, body extent -5,-3 5,3, height 5.65
TRANSF_ACORE2 [mm]
  rect 1x1.65 smd: 1(-3.3,-2.4) 2(-3.3,0) 3(-3.3,2.4) 4(3.3,2.4) 5(3.3,-2.4) ""(3.3,0)
  rect 1.65x0.76 smd: 1(-1.59,-1.27) 2(-1.59,0) 3(-1.59,1.27) 4(1.59,1.27) 5(1.59,-1.27)
  silkscreen extent -2.61,-3.21 2.61,3.13, body extent -3.5,-3.94 3.5,3.94, height 5.24
XT30UM [mm]
  rect 1.836x1.836 hole 1.224: 1(0,0)
  round 1.836 hole 1.224: 2(5,0)
  silkscreen extent -3.3,-2.6 7.6,2.6, body extent -2.6,-2.6 7.6,2.6, height 10.8